# Altium PCB WX0.011.893PCB-4.2(1).PcbDoc (part 1 of 2) (continued)
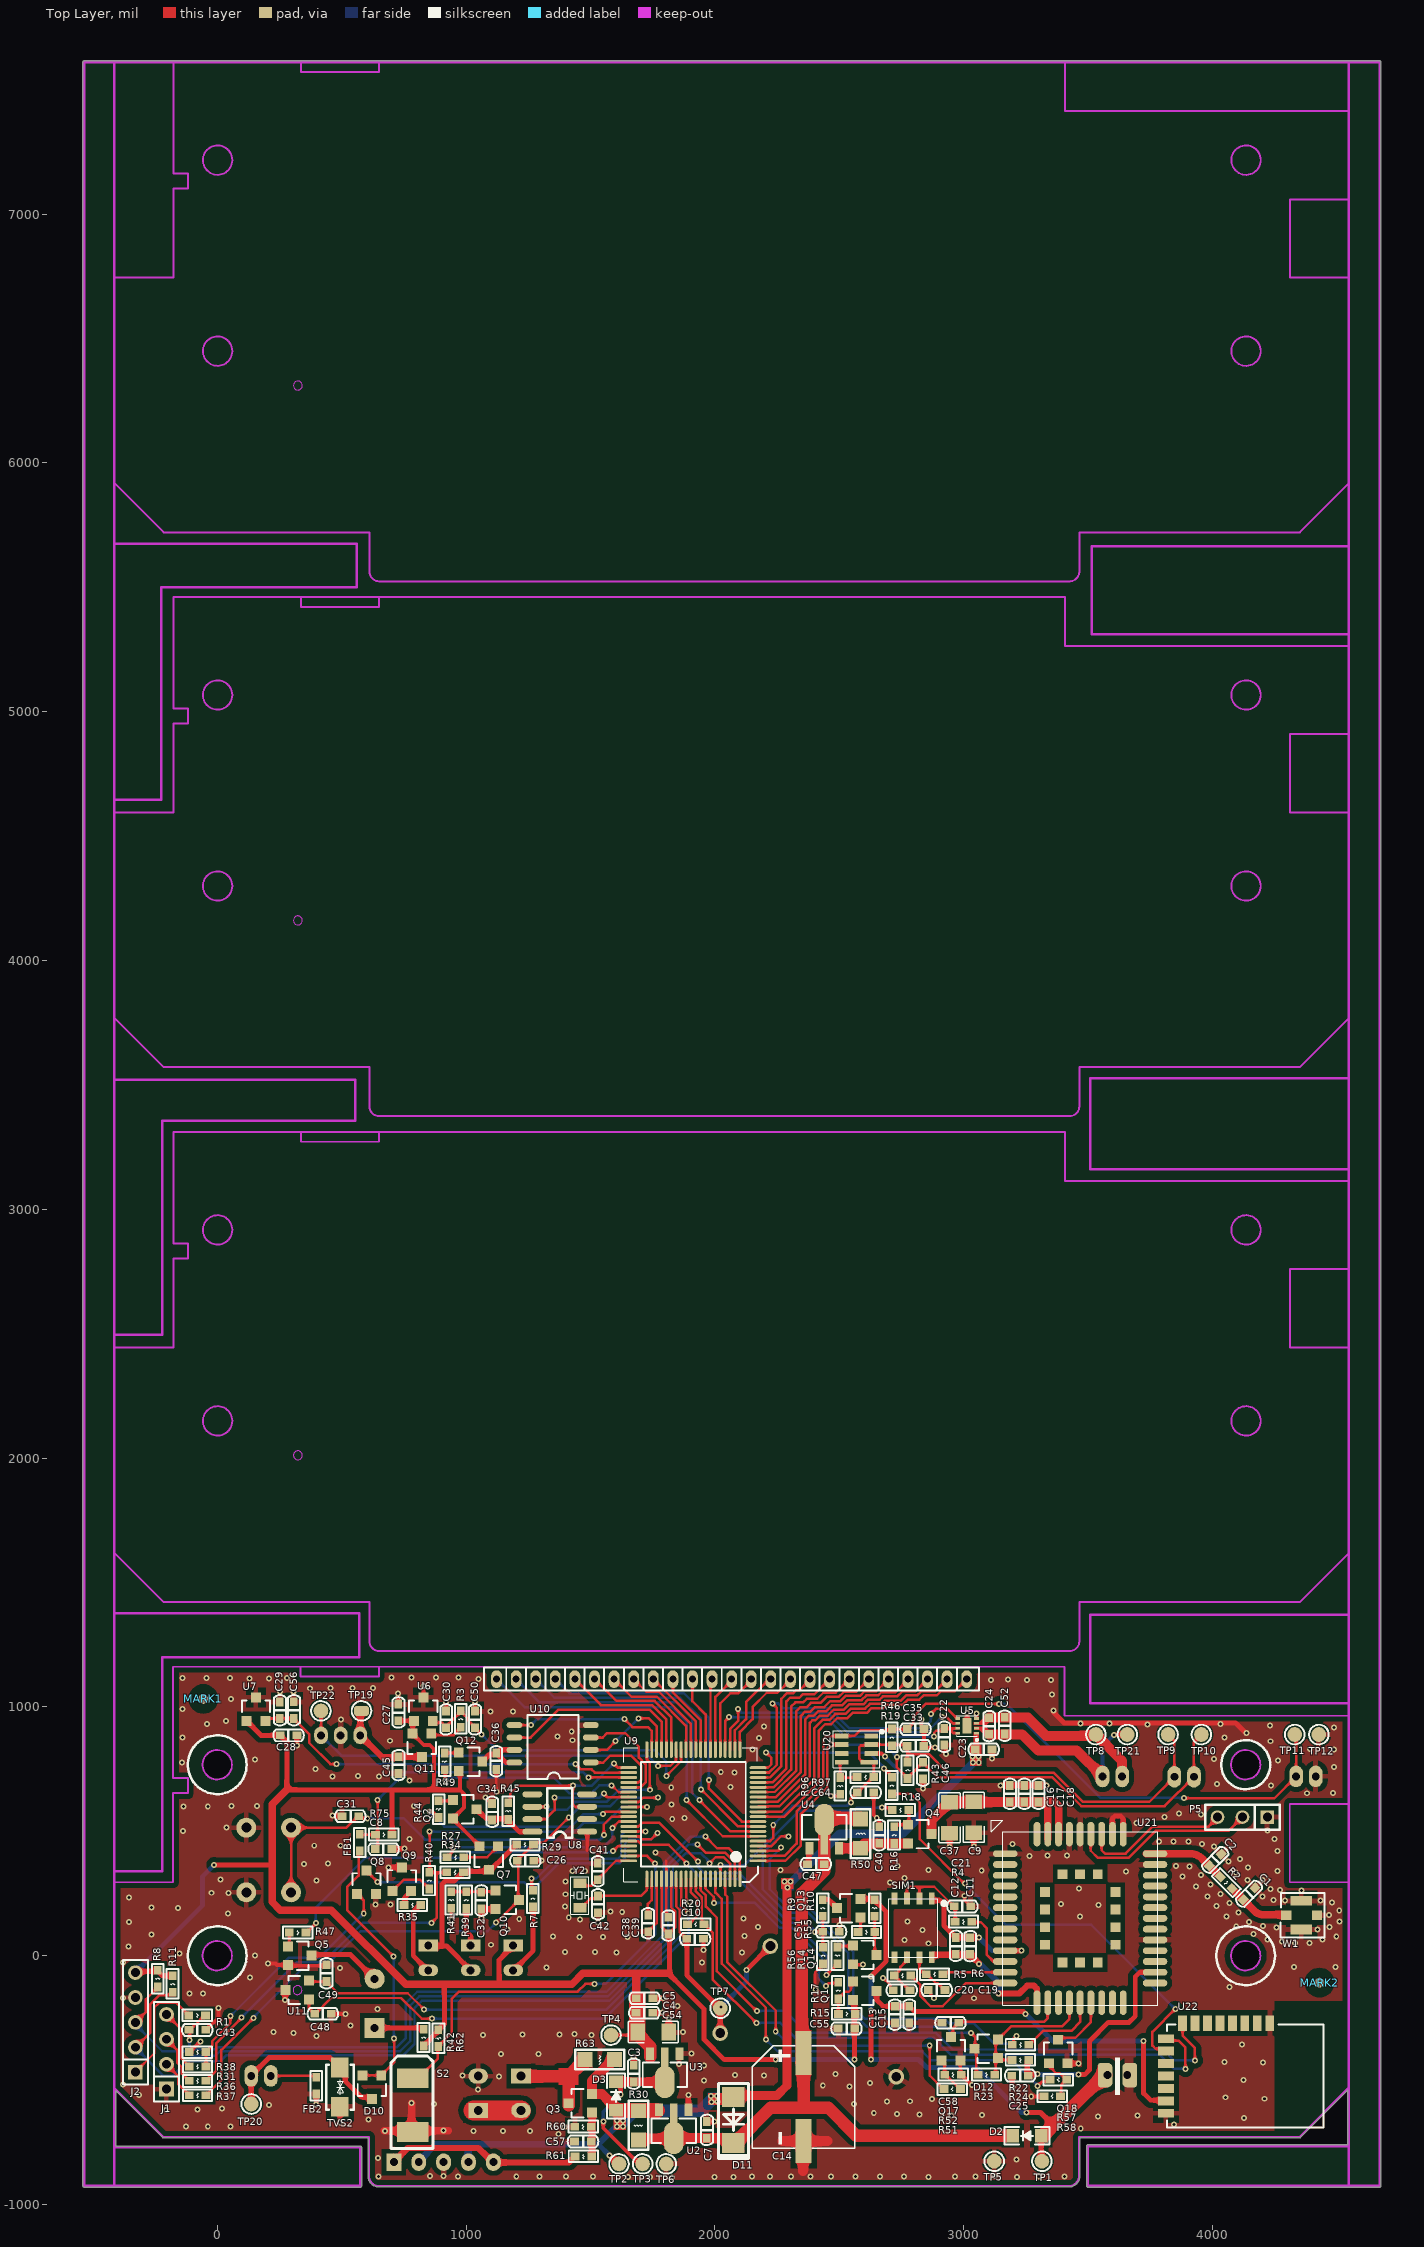
[diagram p0: Top Layer view]
## Components (designator, comment, footprint, x,y, rotation, side; value= is the part's Value field where it differs from the comment) (continued)
TP21 "TEST-PAD" TEST-PAD#1 3658,889 r90 top
TP22 "TEST-PAD" TEST-PAD#1 417,984 r90 top
TVS2 "SMAJ5.0CA" SMAJ5.0CA 493,-528 r90 top
U2 "CE6232A50P" SOT-89 1835,-654 r180 top
U3 "CE6232A33P" SOT-89 1799,-429 r180 top
U4 "CE6232A36P" SOT-89 2440,467 r0 top
U5 "DRV8837DSGR" S-PWSON-N8 3014,924 r180 top
U6 "S-5712ACDL1" SOT-23 828.86,990.67 r0 top locked
U7 "S-5712ACDL1" SOT-23 155.83,990.67 r0 top locked
U8 "ESAM" SOP-8 1486.84,498.64 r180 top locked
U9 "FM33LG0x8" LQFP80 1913.84,568.64 r180 top locked
U10 "P25Q80H-SUH-IR" SOP-8L-200MIL 1501.84,777 r180 top locked
U11 "S-5712ACDL1" SOT-23 321.57,-137.8 r90 top locked
U20 "HP303B" LGA_8 2661.84,757.64 r180 top locked
U21 "BC28-CNS" BC28-CNS 3468.5,150 r0 top locked
U22 "DB809" DB809 3880.51,-271 r270 top locked
W1 "ANT-IPEX" ANT-IPEX 4356.84,162.89 r270 top locked
Y2 "32.768kD" SMD-3215_2P 1457.84,192.64 r90 top

## Footprints (in the part's own frame and the unit in brackets; to place one, negate y for a bottom-side part, rotate by r counter-clockwise, add the part's x,y. Pads: shape width x height; smd on the part's side, far side on the other; paste and mask are expansions set on the pad)
ANT-IPEX [mm] "IPX天线座"
  rect 1x1.05 smd: 1(0,-1.525)
  rect 1x2.2 smd: 2(-1.475,0.025) 2(1.475,0.025)
  rect 1x1 smd: 2(0,1.626)
  silkscreen extent -2.26,-2.08 2.26,2.38
"Bar Code1" [mil]
  silkscreen extent 0,0 965,256
BAT [mm]
  round 1.6 hole 1: 1(10.25,5.13) 1(10.25,-5.13) 2(-7.55,0)
  silkscreen extent -10.25,-10.25 11.43,10.25
BC28-CNS [mm] "BC28-CNS Moudle 58Pin 15.8X17.7mm H2.2mm RO"
  oval 2.5x0.7 smd mask+0.05: 1(-7.65,6.6) 2(-7.65,5.5) 3(-7.65,4.4) 4(-7.65,3.3) 5(-7.65,2.2) 6(-7.65,1.1) 7(-7.65,0) 8(-7.65,-1.1) 9(-7.65,-2.2) 10(-7.65,-3.3) 11(-7.65,-4.4) 12(-7.65,-5.5) 13(-7.65,-6.6) 23(7.65,-6.6) 24(7.65,-5.5) 25(7.65,-4.4) 26(7.65,-3.3) 27(7.65,-2.2) 28(7.65,-1.1) 29(7.65,0) 30(7.65,1.1) 31(7.65,2.2) 32(7.65,3.3) 33(7.65,4.4) 34(7.65,5.5) 35(7.65,6.6)
  oval 0.7x2.5 smd mask+0.05: 14(-4.4,-8.6) 15(-3.3,-8.6) 16(-2.2,-8.6) 17(-1.1,-8.6) 18(0,-8.6) 19(1.1,-8.6) 20(2.2,-8.6) 21(3.3,-8.6) 22(4.4,-8.6) 36(4.4,8.6) 37(3.3,8.6) 38(2.2,8.6) 39(1.1,8.6) 40(0,8.6) 41(-1.1,8.6) 42(-2.2,8.6) 43(-3.3,8.6) 44(-4.4,8.6)
  rect 1x1 smd mask+0.05: 45(-3.6,2.7) 46(-3.6,0.9) 47(-3.6,-0.9) 48(-3.6,-2.7) 49(-1.8,-4.5) 50(0,-4.5) 51(1.8,-4.5) 52(3.6,-2.7) 53(3.6,-0.9) 54(3.6,0.9) 55(3.6,2.7) 56(1.8,4.5) 57(0,4.5) 58(-1.8,4.5)
  silkscreen extent -9.05,-8.85 7.9,10, body extent -7.9,-8.85 7.9,8.85, height 1.4
CAP0603 [mil]
  rect 35x31 smd: 1(-0.49,0) 2(66.51,0)
  silkscreen extent -29,-24 94,23, body extent 1,-15 72,15, height 20
CAP-SMD_BD10.0-L10.3-W10.3-FD [mm]
  rect 1.65x4.5 smd: 1(0,4.5) 2(0,-4.5)
  silkscreen extent -5.23,-5.23 5.23,5.23
CAPPC_350_800_1600R [mm]
  rect 1.524x2 hole 0.9: 1(-2.5,-1.905)
  oval 1.524x2 hole 0.9: 2(-6,-1.905)
  silkscreen extent -8.5,-1.02 0,16, body extent -8.22,-1.56 -0.22,15.94, height 8
DB809 [mm]
  rect 1.6x0.9 smd: 1(0,8.89) 2(0,7.62) 3(0,6.35) 4(0,5.08) 5(0,3.81) 6(0,2.54) 7(0,1.27) 8(0,0)
  rect 0.9x1.6 smd: 9(1.59,-1.7) 10(2.86,-1.7) 11(4.13,-1.7) 12(5.4,-1.7) 13(6.67,-1.7) 14(7.94,-1.7) 15(9.21,-1.7)
  silkscreen extent 0.15,-1.6 10.65,14.4
DO-214AC [mil]
  rect 80x90.55 smd: 1(-92.5,0) 2(92.5,0)
  silkscreen extent -147,-60 155,60, body extent -91,-53 90,53, height 94
GRM31CR60J107ME39L [mm]
  rect 1.485x1.728 smd: 1(0,0) 2(3.185,0)
  silkscreen extent -0.97,-1.09 4.16,1.09
GRM1206 [mm]
  rect 1.728x1.485 smd: 1(0,-1.593) 2(0,1.592)
  silkscreen extent -1.09,-2.56 1.09,2.56
HYT-0903 [mil]
  rect 80x80 hole 32: 1(0,0)
  round 80 hole 32: 2(196.85,0)
  silkscreen extent -79,-177 276,177, body extent -78,-176 276,176, height 217
IND0603 [mil]
  rect 35x31 smd: 1(0,0) 2(67,0)
  silkscreen extent -26,-24 92,23, body extent 0,-15 71,15, height 12
IR_254_532_300 [mm]
  rect 2x1.2 hole 0.813: 1(0,0)
  oval 2x1.2 hole 0.813: 2(0,-2.54)
  silkscreen extent -2.16,-3.23 2.16,0.91, body extent -1.65,-2.91 1.64,0.39, height 5.51
LCD_GVH21861A-HPP [mm]
  oval 1.1x1.8 hole 0.732: 1(0,0) 2(-2,0) 3(-4,0) 4(-6,0) 5(-8,0) 6(-10,0) 7(-12,0) 8(-14,0) 9(-16,0) 10(-18,0) 11(-20,0) 12(-22,0) 13(-24,0) 14(-26,0) 15(-28,0) 16(-30,0) 17(-32,0) 18(-34,0) 19(-36,0) 20(-38,0) 21(-40,0) 22(-42,0) 23(-44,0) 24(-46,0) 25(-48,0)
  silkscreen extent -56.95,-23 9.95,1.17, body extent -57.15,-23.24 9.14,0, height 5.2
LED2_300 [mm]
  rect 2x1.2 hole 0.813: 1(0,0)
  oval 2x1.2 hole 0.813: 2(0,-2.54)
  silkscreen extent -2.16,-2.53 2.16,0.91, body extent -1.65,-2.91 1.64,0.39, height 5.51
LGA_8 [mm]
  rect 1.8x0.5 smd: 1(1.039,-0.504)
  rect 1.4x0.5 smd: 2(0.839,-1.404) 3(0.839,-2.304) 4(0.839,-3.204) 5(3.839,-3.204) 6(3.839,-2.304) 7(3.839,-1.404) 8(3.839,-0.504)
  silkscreen extent -0.4,-3.78 4.73,0.05
LQFP80 [mm]
  oval 1.7x0.3 smd: 1(-6.6,4.75) 2(-6.6,4.25) 3(-6.6,3.75) 4(-6.6,3.25) 5(-6.6,2.75) 6(-6.6,2.25) 7(-6.6,1.75) 8(-6.6,1.25) 9(-6.6,0.75) 10(-6.6,0.25) 11(-6.6,-0.25) 12(-6.6,-0.75) 13(-6.6,-1.25) 14(-6.6,-1.75) 15(-6.6,-2.25) 16(-6.6,-2.75) 17(-6.6,-3.25) 18(-6.6,-3.75) 19(-6.6,-4.25) 20(-6.6,-4.75) 41(6.6,-4.75) 42(6.6,-4.25) 43(6.6,-3.75) 44(6.6,-3.25) 45(6.6,-2.75) 46(6.6,-2.25) 47(6.6,-1.75) 48(6.6,-1.25) 49(6.6,-0.75) 50(6.6,-0.25) 51(6.6,0.25) 52(6.6,0.75) 53(6.6,1.25) 54(6.6,1.75) 55(6.6,2.25) 56(6.6,2.75) 57(6.6,3.25) 58(6.6,3.75) 59(6.6,4.25) 60(6.6,4.75)
  oval 0.3x1.7 smd: 21(-4.75,-6.6) 22(-4.25,-6.6) 23(-3.75,-6.6) 24(-3.25,-6.6) 25(-2.75,-6.6) 26(-2.25,-6.6) 27(-1.75,-6.6) 28(-1.25,-6.6) 29(-0.75,-6.6) 30(-0.25,-6.6) 31(0.25,-6.6) 32(0.75,-6.6) 33(1.25,-6.6) 34(1.75,-6.6) 35(2.25,-6.6) 36(2.75,-6.6) 37(3.25,-6.6) 38(3.75,-6.6) 39(4.25,-6.6) 40(4.75,-6.6) 61(4.75,6.6) 62(4.25,6.6) 63(3.75,6.6) 64(3.25,6.6) 65(2.75,6.6) 66(2.25,6.6) 67(1.75,6.6) 68(1.25,6.6) 69(0.75,6.6) 70(0.25,6.6) 71(-0.25,6.6) 72(-0.75,6.6) 73(-1.25,6.6) 74(-1.75,6.6) 75(-2.25,6.6) 76(-2.75,6.6) 77(-3.25,6.6) 78(-3.75,6.6) 79(-4.25,6.6) 80(-4.75,6.6)
  silkscreen extent -6.62,-6.81 7.1,6.91, body extent -5.33,-5.33 5.36,5.33, height 2
MARK [mm]
  round 1 smd: 0(0,0)
  round 1 smd far side: 1(0,0)
  Top Layer pour cut-out: -1.5,0 -1.386,-0.574 -1.061,-1.061 -0.574,-1.386 0,-1.5 0,-1.5 0.574,-1.386 1.061,-1.061 1.386,-0.574 1.5,0 1.5,0 1.386,0.574 1.061,1.061 0.574,1.386 0,1.5 0,1.5 -0.574,1.386 -1.061,1.061 -1.386,0.574 -1.5,0
  Bottom Layer pour cut-out: -1.5,0 -1.386,-0.574 -1.061,-1.061 -0.574,-1.386 0,-1.5 0,-1.5 0.574,-1.386 1.061,-1.061 1.386,-0.574 1.5,0 1.5,0 1.386,0.574 1.061,1.061 0.574,1.386 0,1.5 0,1.5 -0.574,1.386 -1.061,1.061 -1.386,0.574 -1.5,0
PH200_1*2R [mm]
  oval 1.4x2.2 hole 0.8: 1(-1,0) 2(1,0)
  silkscreen extent -3,-6 3,1.6, body extent -3.18,-6.22 3.18,1.78, height 5
PH200_1*2R_BAT [mm]
  oval 1x2.5 hole 0.8: 1(1.076,-2.667) 2(-0.924,-2.667)
  rrect50% 1.2x2.5 all layers, no hole: 1(1.473,-2.667) 2(-1.321,-2.667)
  silkscreen extent -2.92,-4.44 3.08,3.34, body extent -3.1,-4.44 3.25,3.56, height 5
PH200_1*3R [mm]
  oval 1.4x1.8 hole 0.8: 1(-4,0) 2(-2,0) 3(0,0)
  silkscreen extent -6,-6 2,1.6, body extent -5.99,-5.97 2.01,1.57, height 4
PIN254_1*4*WXHJ [mm] "Connector; Header; 4 Position"
  rect 1.5x1.5 hole 0.9: 1(0,0)
  round 1.5 hole 0.9: 2(2.54,0) 3(5.08,0) 4(7.62,0)
  silkscreen extent -1.27,-1.27 8.89,1.27, body extent -1.3,-1.3 8.86,1.24, height 8.54
PIN254_1*5*WXHJ [mm]
  rect 1.5x1.5 hole 0.9: 1(0,0)
  round 1.5 hole 0.9: 2(2.54,0) 3(5.08,0) 4(7.62,0) 5(10.16,0)
  silkscreen extent -1.27,-1.27 11.43,1.27
"Pin HDR1X5/2.54mm-S" [mil]
  rect 70x60 hole 32: 1(0,0)
  oval 70x60 hole 32: 2(0,-100) 3(0,-200) 4(0,-300) 5(0,-400)
  silkscreen extent -50,-450 50,50, body extent -50,-450 50,50, height 336
RES0603 [mil]
  rect 35x31 smd: 1(0,0) 2(67,0)
  silkscreen extent -26,-24 92,23, body extent 0,-15 71,15, height 12
RES1206 [mil]
  rect 60x60 smd: 1(0,0) 2(118.11,0)
  silkscreen extent -39,-39 157,39, body extent -28,-29 150,29, height 20
S-PWSON-N8 [mm]
  rect 0.5x0.28 smd: 1(-0.95,0.75) 2(-0.95,0.25) 3(-0.95,-0.25) 4(-0.95,-0.75) 5(0.95,-0.75) 6(0.95,-0.25) 7(0.95,0.25) 8(0.95,0.75)
  rect 0.9x1.6 smd: 9(0,0)
  silkscreen extent -1.09,-1.05 1.04,1.52, body extent -0.98,-1 1.02,1, height 0.77
SIMIC [mm]
  rect 0.6x1.2 smd: 1(4.405,6) 2(3.135,6) 3(1.865,6) 4(0.595,6) 5(0.595,0) 6(1.865,0) 7(3.135,0) 8(4.405,0)
  silkscreen extent 0,0 5.73,6, body extent 0,0 4.95,5.97, height 0.6
SIP-3 [mil]
  rect 55x55 hole 36: 1(0,0)
  round 55 hole 36: 2(100,0) 3(200,0)
  silkscreen extent -50,-50 250,50
SMAJ5.0CA [mm]
  rect 2x1.8 smd: 1(-2,0) 2(2,0)
  silkscreen extent -2.3,-1.4 2.3,1.4
SMD-3215_2P [mm]
  rect 1x1.3 smd: 1(0,0) 2(2.5,0)
  silkscreen extent -0.69,-0.91 3.19,0.91, body extent -0.3,-0.99 2.9,0.99, height 0.7
SOD-123FL [mm]
  rect 1.3x1.4 smd: 1(0.074,0) 2(2.974,0)
  silkscreen extent -0.78,-0.9 3.82,0.9, body extent -0.28,-0.82 3.32,0.82, height 0.95
SOP-8 [mil]
  oval 80x24 smd: 1(0,0) 2(0,-50) 3(0,-100) 4(0,-150) 5(220,-150) 6(220,-100) 7(220,-50) 8(220,0)
  silkscreen extent 60,-175 160,25, body extent -7,-171 229,21, height 67
SOP-8L-200MIL [mil]
  oval 62.99x24 smd: 1(0,0) 2(0,-50) 3(0,-100) 4(0,-150) 5(307.09,-150) 6(307.09,-100) 7(307.09,-50) 8(307.09,0)
  silkscreen extent 50,-190 255,66, body extent 35,-171 271,21, height 67
SOT-23 [mil]
  rect 40x40 smd: 1(-37.4,-47.24) 2(37.4,-47.24) 3(0,47.24)
  silkscreen extent -57,-12 57,35, body extent -57,-55 57,55, height 47
SOT-89 [mm]
  rect 0.8x1.27 smd: 1(-1.5,-0.9) 3(1.5,-0.9)
  oval 2x3.3 smd: 2(0,2)
  rect 0.8x2.54 smd: 2(0,-0.265)
  silkscreen extent -2.25,0 2.25,2.5, body extent -2.25,-1.02 2.25,2.92, height 1.4
SWS_2_520_300 [mm]
  rect 2x3.2 smd: 1(0,0) 2(-5.5,0)
  silkscreen extent -7.2,-2.08 2.25,2.2
SWT_4_600_600 [mil]
  round 80 hole 40: 1(-130,-90) 1(130,-90) 2(-130,90) 2(130,90)
  silkscreen extent -180,-140 180,140, body extent -130,-90 130,90, height 157
TEST-PAD#1 [mm]
  round 1.5 smd: 1(0,0)
  silkscreen extent -1,-1 1,1
TEST-PAD#2 [mm]
  rrect50% 1.016x1.5 smd: 1(0,0)
  silkscreen extent -1,-1 1,1

## Part data
*: library part "AD_WXHJ_Bar Code_02", "条形码 ,填充，无需焊接器件"
B1: library part 1010602-0007, "直插,直径9mm,高5.5mm,5 V,2 V,30 mA,兴化市华宇电子有限公司,HYT-0903"
C1 C2 C41 C42: library part 101020103-0005, "12P,50 V,±5%,0603,国巨,CC0603JRNPO9BN12"
C3 C4 C13: library part 101020103-0026, "106pF,10 V,±10%,0603,村田,GRM188R61A106KE47D"
C5 C7 C8 C10 C11 C16 C22 C23 C24 C31 C33 C34 C35 C36 C38 C39 C40 C47 C52 C58 C64: library part 101020103-0021, "104pF,50 V,±10%,0603,国巨,CC0603KRX7R9BB104"
C6 C44: library part 1010202-0015, "1F,2.75 V,-20%~+20%,8mm*16mm,红宝石,2.7 DMC 1 M MY4 8X16"
C9: library part 101020101-0020, "100uF,6.3 V,±20%,1206,村田,GRM31CR60J107ME39L"
C12 C17 C19 C20 C21 C43 C46 C50 C56: library part 101020103-0027, "33pF,50 V,±10%,0603,国巨,CC0603KRNPO9BN33"
C14: library part 1010203-0029, "1000UF,16V,±20%,贴片10*10.2MM,深圳市三炎科电子科技有限公司,16V1000UF"
C15 C25 C27 C28 C45 C48: library part 101020103-0003, "105pF,16 V,±10%,0603,国巨,CC0603KRX7R7BB105"
C18 C32 C51: library part 101020103-0014, "10pF,50 V,±5%,0603,X7R,国巨,CC0603JRNPO9BN100"
C26: library part 101020103-0010, "101pf,50 V,±5%,0603,国巨,CC0603JRNP09BN101"
C29 C30 C49: library part 101020103-0022, "102pF,50 V,±10%,0603,国巨,CC0603KRX7R9BB102"
C37: library part 101020101-0005
C54: library part 101020101-0005, "100u,16 V,±10%,1206,国巨,CC1206KRNPO7BN106P"
C55: library part 101020103-0009, "22pF,50 V,±5%,0603,国巨,CC0603JRNPO9BN22"
C57: library part CAP, "无极性电容"
D2: library part 101040101-0048, "DS36W,SOD123-FL,3 A,42 V,60 V,浙江领晨科技有限公司,DS36W"
D3: library part 101040101-0048, "DS12W,SOD-123FL,1 A,0.55 V,20 V,领晨科技,DS12W"
D5: library part 101040102-0010, "DIP-2,φ3,插件,红光,上海品观电子有限公司/可得,AT203"
D6: library part 101040102-0011, "DIP-2,φ3,插件,红光,上海品观电子有限公司/可得,AT403-PD-01"
D7: library part 101040102-0001, "圆形插件,3mm 圆形,插件,红光,湖北匡通电子有限公司,3BB4HC"
D10 D12: library part 101040101-0038, "BAT54CLT1，SOT23-3,SOT23-3,0.2 A,0.8 V,30 V,安森美,BAT54CLT1"
D11: library part 101040101-0009, "SS12,DO-214AC,1 A,0.55 V,20 V,昶鑫,SS12"
FB1 FB2: library part 109010101-0003, "chilisin(奇力新),0603,30Ω ±25% @100MHz,150 V,125 ℃,PBY160808T-300Y-N,-55 ℃,不含铅,,,圆盘,30Ω ±25% @100MHz"
J1: library part AD_WXHJ_PinHeader_01, "1*4 ，Φ1.0 ，2.54mm，直脚,无需焊接器件"
J2: library part AD_WXHJ_PinHeader_02, "1*5 ，Φ1.0 ，2.54mm，直脚,无需焊接器件"
J3 J4 P2 P3 P6 P7: library part 1010902-0105, "2.0-2AW,直插弯座，2PIN，脚间距2mm，带防翘起,公头,单排,2.0-2AW;直插弯座，2PIN,脚间距2mm，带防翘起"
LCD1: library part 1010801-0028, "GVH21861A-HPP/GVH20913A－HPP-WG,65*23mm,针脚,段码,21,液晶,全透,60 ℃,-20 ℃,金视界/合肥精显,GVH21861A-HPP/GVH20913A－HPP-WG"
MARK1 MARK2: library part AD_WXHJ_MARK_01, "MARK点"
P5: "Connector"
P9: library part 1010902-0104, "2.0-3AW,3PIN，2mm脚间距,公头,单排,2.0-3AW；3PIN，脚间距2mm直插弯座带防翘起"
Q1 Q3 Q4: library part 101040201-0013, "UT3401ZG,P-MOS,SOT-23,UTC,UT3401ZG"
Q2 Q7 Q9 Q11 Q12 Q13: library part 101040201-0001, "9012,PNP,SOT-23,JCET;长电,S9012"
Q5 Q8 Q10 Q14 Q17 Q18: library part 101040201-0002, "9013,NPN,SOT-23,长电,S9013"
R1 R35: library part 101010103-0022, "100R,±5%,1/10W,0603,国巨,RC0603JR-07100RL"
R2: library part 101010103-0001
R3 R14 R27 R31 R40 R47 R49: library part 101010103-0006, "国巨,±5%,0603,,155 ℃,-55 ℃,RC0603JR-073KL,无铅,100 ppm/℃,1/10W,,3K"
R4 R5 R6: library part 101010103-0009, "国巨,±5%,0603,,155 ℃,-55 ℃,RC0603JR-0722RL,无铅,200 ppm/℃,1/10W,,22欧"
R7 R19 R20 R36 R37 R38: library part 101010103-0008, "1K,±5%,1/10W,0603,国巨,RC0603JR-071KL"
R8 R10 R11 R44 R55: library part 101010103-0003, "国巨,±5%,0603,,155 ℃,-55 ℃,RC0603JR-0710KL,无铅,200 ppm/℃,1/10W,,10K"
R9: library part 101010103-0066, "330K,±5%,1/10W,0603,国巨,RC0603JR-07330KL"
R15 R17: library part 101010103-0003, "10K±5%,1/10W,0603"
R16: library part 101010103-0025, "国巨,±5%,0603,,155 ℃,-55 ℃,RC0603JR-072ML,含铅,100 ppm/℃,1/10W,,2M"
R18: library part 101010103-0034, "200K,±5%,1/10W,0603,国巨,RC0603JR-07200KL"
R22 R23 R51 R52 R56 R57 R58: library part 101010103-0044, "220K,±5%,1/10W,0603,国巨,RC0603JR-07220KL"
R24 R29 R34 R39 R45: library part 101010103-0004, "国巨,±5%,0603,,155 ℃,-55 ℃,RC0603JR-0720KL,无铅,200 ppm/℃,1/10W,,20K"
R30 R50: library part 101010101-0013, "0Ω,±5%,1/4W,1206,国巨,RC1206JR-070RL"
R41: library part 101010103-0012, "47K,±5%,1/10W,0603,国巨,RC0603JR-0747KL"
R42: library part 101010103-0037, "国巨,±5%,0603,,155 ℃,-55 ℃,RC0603JR-0751RL,无铅,100 ppm/℃,1/10W,,51欧"
R43 R46: library part 101010103-0015, "国巨,±5%,0603,,155 ℃,55 ℃,RC0603JR-075.1KL,无铅,200 ppm/℃,1/10W,,5.1k"
R60 R61 R63: library part RES
R62 R97: library part 101010103-0002, "国巨,±5%,0603,,155 ℃,-55 ℃,RC0603JR-071ML,无铅,200 ppm/℃,1/10W,,1M"
R75 R96: library part 101010103-0001, "国巨,±5%,0603,,155 ℃,-55 ℃,RC0603J2-070RL,无铅,200 ppm/℃,1/10W,,0R"
S1: library part 1011001-0027, "TS-1102,机械轻触,6*6*4.3直插,6*6*4.3直插,乐清市羽欧电子"
S2: library part 1011001-0041, "CSX-SEN-645B,垂直45°开关转换,3*5.2mm,360°任意方位倾斜检测,深圳市成晟科技有限公司"
SIM1: library part AD_XN_SIMIC_01, "SIMIC虚拟器件"
TP1 TP2 TP3 TP4 TP5 TP6 TP7 TP8 TP9 TP10 TP11 TP12 TP19 TP20 TP21 TP22: library part AD_WXHJ_TEST-PAD_01, "单面焊盘测试点"
TVS2: library part SMAJ5.0CA_C693487
U2: library part 1010503-0013, "S-1206B50-U3,S-1206B50-U3,SOT89-3,6.5 V,1.7 V,0.2 V,5 V,250mA@VIN≧VOUT(S)＋1.0 V﹐1.5 V≦VOUT(S),1 uA,精工电子"
U3: library part 1010503-0002, "S-1206B33-U3T1G,S-1206B33-U3T1G,SOT89-3,6.5 V,1.7 V,0.15 V,3.3 V,250mA@VIN≧VOUT(S)＋1.0 V﹐1.5 V≦VOUT(S),1 uA,精工电子"
U4: library part 1010503-0031, "CE6232A36P,CE6232A36P,SOT89-3,8 V,1.8 V,0.11 V,3.6 V,600mA,0.8 uA,南京芯力微电子有限公司"
U5: library part 101050101-0060, "DRV8837DSGR,S-PWSON-N8,TI,DRV8837DSGR"
U6 U7 U11: library part 1010504-0002, "S-5712ACDL1,SOT23-3,3.5 V,1.6 V,2 uA,精工电子,S-5712ACDL1"
U8: library part AD_XN_ESAM_01, "ESAM虚拟器件"
U10: library part 101050101-0165, "P25Q80H-SUH-IR,SOP8208mil,普冉半导体（上海）股份有限公司,P25Q80H-SUH-IR"
U21: "BC28-CNS Moudle 58Pin 15.8X17.7mm H2.2mm RO"
U22: library part 1011402-0194, "北高智蓝牙模块DB809"
W1: library part 1010902-0053, "IPEX，配GPRS天线转接线"
Y2: library part 1010601-0009

## Via types
v1: diameter 24, hole 12, Top Layer to Bottom Layer, tented both sides, 484 vias

## Nets (pads, with @x,y where several pads share a name; then routed paths per layer and width w, separated by ;. In a path a pad name is that pad's centre, name@x,y a point inside that pad or via, vN(x,y) a via of type N, cw(c..) or ccw(c..) an arc to the next point about the centre after c; other vN are vias at no path point)
3.3V: C4.1 C5.1 C27.1 C28.1 C39.2 C54.1 C55.1 D7.1 J2.5 Q1.2 Q2.2 Q7.2 Q11.2 Q12.2 R8.1 R11.1 R15.1 R42.2 R62.2 R75.1 TP4.1 U3.3 U6.1 U7.1 U9.64 U9.66 | length 7882.9
  Top Layer w10: TP4.1@1573,-323 1577,-319 C54.1@1691,-319 ; U9.64@1786,324 1786,115.49 C39.2@1813.75,87.75 ; C39.2@1809,83 C39.2@1813.75,87.75 ; C39.2@1818,83.49 C39.2@1813.75,87.75 ; U9.66@1825,327 1825,194 1842,177 1842,116 C39.2@1813.75,87.75
  Top Layer w15: C27.1@728,944.51 U6.1@778.32,944.51 ; U6.1@785.43,937.4 Q11.2@785.43,893.7 785.43,891.57 830,847 854,847 871,830 871,667 ; Q12.2@976,737.36 976,669 974.5,667.5 992,650 992,595.65 Q2.2@947.59,551.24 955.83,543 955.83,540.17 1047,449 1047,447.31 Q7.2@1054.43,439.88
  Top Layer w20: J2.5@-329,-68 -324,-63 -238,-63 -221,-80 R11.1@-175,-80 ; v1@-13,365 v1(-12,365) 211,365 ; U7.1@118.43,943.42 175.85,886 C28.1@253.51,886 280,859.51 280,667 ; 277,667 871,667 974,667 ; R75.1@702.84,486.64 702.84,662.84 ; R42.2@829,-362 R62.2@887,-304 ; R62.2@889,-298 913,-274 913,-115 ; Q12.2@970.76,742.6 Q12.2@976,737.36 ; 1133,-115 1133,-17 1189.61,39.61 D7.1@1213.42,39.61 ; 1813,-71 1957,-215 1957,-337 2038,-418 v1(2245,-418) ; 1818,-76 C39.2@1818,83.49 ; Q1.2@2555.76,-178.4 2561,-183.64 2561,-287.51 C55.1@2556.51,-292 ; v1@2561.49,-419 C55.1@2561.49,-293
  Top Layer w30: 280,667 221,608 221,216 254,183 459,183 757,-115 1150,-115 1426,-115 1470,-71 1813,-71 ; C5.1@1684.51,-171 C5.1@1688,-167.51
  Top Layer w35: C5.1@1684.51,-171 1684.51,-74
  Top Layer w50: C54.1@1691,-319 1690,-316 1739.95,-365.95 U3.3@1739.95,-407
  Bottom Layer w20: J2.5@-329,-68 -60,201 -60,317 v1(-12,365) ; v1@2244,-418 v1@2563,-418
  other v1: 2561,-418
3.6V: C3.1 D3.2 TP3.1 U3.2 | length 635.8
  Top Layer w10: D3.2@1603,-506.91 D3.2@1622,-525.91
  Top Layer w15: v1(1552,-667) 1552,-693 1696,-837 TP3.1@1710,-837 ; v1(1622,-558) D3.2@1622,-525.91
  Top Layer w35: D3.2@1603,-506.91 U3.2@1798.17,-506.91
  Bottom Layer w15: v1(1552,-667) 1552,-628 v1(1622,-558)
5V: C23.2 D3.1 D11.1 J5.2 J5.4 Q3.2 R30.2 R63.1 TP2.1 U2.3 U5.1 | length 3963.9
  Top Layer w20: v1(1577,-803) 1611,-837 TP2.1@1615,-837
  Top Layer w30: C23.2@3047.49,829 C23.2@3055,836.51
  Top Layer w35: D11.1@2075,-567.5 2081,-561.5 2250.5,-561.5 2290,-522 2290,287
  Top Layer w40: Q3.2@1507.24,-555.6 1546.6,-555.6 1603,-612 D3.1@1603,-621.09 ; Q3.2@1507.24,-551.6 1507.24,-502.76 1597,-413 R63.1@1602,-413
  Top Layer w60: D3.1@1607,-621.93 U2.3@1769,-621.93
  Bottom Layer w20: 1531.5,-757.5 v1(1577,-803)
  Bottom Layer w25: J5.2@807,-830 879,-758 1531,-758 ; J5.4@1009,-830 1009,-761 ; 1531.5,-757.5 1614,-675 1625,-675
  Bottom Layer w35: 2298,286 2502,490 2753,490 v1@3054,791
  Bottom Layer w50: 1625,-675 1677,-623 1945,-623 1991.5,-576.5
  other v1: 1607,-687 1631,-687 1607,-663 1631,-663 1986,-588 2010,-587 1985,-564 2009,-563 2292,275 2280,298 2305,298 3037,777 3061,777 3036,801 3060,801
119: C8.1 FB1.1 R75.2 U9.43 | length 1339.5
  Top Layer w10: FB1.1@568.84,486.64 R75.2@635.84,486.64 ; C8.1@645,422 v1(645,626) ; v1@1489,717 1653.27,717 U9.43@1653.99,716.28
  Bottom Layer w10: v1(645,626) 757,738 1470.75,738 v1(1492.75,716)
ADC_CTL: R14.1 U9.56 | length 1131.7
  Top Layer w10: U9.56@1653.99,460.37 1691.08,460.37 1705.44,446 1814,446 1887,373 v1(1887,370) ; v1@2448,-77 v1(2449,-78) 2493,-34 R14.1@2493,-32
  Bottom Layer w10: v1(1887,370) 1947,310 2091,310 2269,132 2318,132 2449,1 v1(2449,-78)
B: C24.2 C52.2 P3.2 TP8.1 U5.3 | length 674.4
  Top Layer w40: C24.2@3102.17,956.87 3258.13,956.87 3331,884 3527,884 TP8.1@3532,889 3637.32,783.68 P3.2@3637.32,720.28
BLE_INTP5: R20.1 U9.70 | length 217.4
  Top Layer w10: R20.1@1888.78,119.22 1930,160.44 1930,228.25 1903.99,254.26 U9.70@1903.99,308.8
BUZZ: R47.1 U9.57 | length 1481
  Top Layer w10: R47.1@357,93 360,93 v1(398,131) ; v1(1591,421) 1592,421 1611.69,440.69 U9.57@1653.99,440.69
  Bottom Layer w10: v1@395.5,129.5 395.5,192.5 597,394 987,394 1008,415 1585,415 v1(1591,421)
CAP_CHK: C49.1 U9.69 U11.2 | length 1940.2
  Top Layer w10: U11.2@368.82,-100.39 372.42,-104 438,-104 485,-151 766,-151 v1(832,-217) v1@835,-217 ; U11.2@381,-96 U11.2@382,-97 ; U9.69@1884.31,308.8 1884.31,228.69 v1(1898,215) v1@1898,213
  Bottom Layer w10: v1@827,-217 v1(832,-217) 1564.08,-217 1863,81.92 1863,203 1875,215 v1@1900,215
CAP_CTL: C48.1 U9.68 U11.1 | length 2040.5
  Top Layer w10: U11.1@355,-189 U11.1@358,-186 ; U11.1@358,-176 U11.1@361,-173 ; U11.1@380.62,-187 U11.1@368.82,-175.2 368.82,-212.82 389,-233 C48.1@391.51,-233 ; C48.1@392,-236 458,-170 739,-170 822,-253 v1(864,-253) ; U9.68@1864.62,308.8 1864.62,202.46 v1@1896.54,170.54
  Bottom Layer w10: v1@860,-252 861,-253 1557,-253 1895,85 v1(1895,171)
CLOSE: U5.5 U9.19 | length 1209.8
  Top Layer w10: U9.19@2173.68,735.96 2217.96,735.96 2249,767 2249,997 v1(2232,1014) ; v1(2869,972.23) 2869,965.25 2865.51,968.74 2888.78,992 2935,992 2973.47,953.53 U5.5@2976.6,953.53
  Bottom Layer w10: v1(2232,1014) 2255,1014 2274,995 2460.04,995 2540.04,915 2841.25,915 2869,942.75 v1(2869,972.23)
COM0: LCD1.1 U9.6 | length 1499
  Top Layer w10: v1@1885,626 1886,626 2031.94,480.06 U9.6@2173.68,480.06
  Bottom Layer w10: LCD1.1@1122.84,1111.64 1236.47,998 1830,998 1887,941 v1(1887,626)
COM1: LCD1.2 U9.7 | length 1401
  Top Layer w10: v1@1938.5,624.5 2063.26,499.74 U9.7@2173.68,499.74
  Bottom Layer w10: LCD1.2@1201.58,1111.64 1295.21,1018 1845,1018 1909,954 1909,655 v1(1939,625)
COM2: LCD1.3 U9.8 | length 1307
  Top Layer w10: v1@1943,670 v1(1944,669) 2093.57,519.43 U9.8@2173.68,519.43
  Bottom Layer w10: LCD1.3@1280.32,1111.64 1354.95,1037 1860.96,1037 1944,953.96 v1(1944,669)
COM3: LCD1.4 U9.9 | length 1219.5
  Top Layer w10: v1@1976,709 v1(1976,707) 1976,672 2108.89,539.11 U9.9@2173.68,539.11
  Bottom Layer w10: LCD1.4@1359.06,1111.64 1415.69,1055 1876,1055 1976,955 v1(1976,707)
ESAM_CLK: U8.6 U9.40 | length 678.8
  Top Layer w10: U8.6@1266.84,598.64 v1@1325,598.64 ; U9.40@1726.83,828.48 1726.83,788.26 1739,776.08 v1(1739,667) v1@1739,666
  Bottom Layer w10: v1(1324,599) 1336,587 1407,587 1438,618 1565.25,618 1614.25,667 v1(1739,667)
ESAM_POW: R44.1 U9.50 | length 898
  Top Layer w10: v1@852,579 866.47,579 R44.1@889.84,555.64 ; v1(1550,569) 1559.48,578.48 U9.50@1653.99,578.48
  Bottom Layer w10: v1(853,579) 913,519 1423,519 1473,569 v1(1550,569)
ESAM_RST: U8.7 U9.47 | length 474.6
  Top Layer w10: U8.7@1266.84,548.64 1319.64,548.64 1356,585 v1(1356,635) ; v1(1554,652) 1554,654 1552.5,652.5 1567.46,637.54 U9.47@1653.99,637.54 1652.53,639 U9.47@1651.53,638
  Bottom Layer w10: v1(1356,635) 1537,635 v1(1554,652)
ESAM_SDA: R45.2 U8.3 U9.41 | length 710.5
  Top Layer w10: R45.2@1169.84,614.64 1178,622.8 1178,652 1210,684 v1(1430,684) 1430,607 1438.36,598.64 U8.3@1486.84,598.64 ; v1(1594,772) 1610.35,755.65 U9.41@1653.99,755.65
  Bottom Layer w10: v1(1430,684) 1506,684 v1(1594,772)
FLASH_CLK: U9.37 U10.6 | length 774.1
  Top Layer w10: U10.6@1190,877 1260,877 1370.46,988 1739,988 1785.88,941.12 U9.37@1785.88,828.48
FLASH_CS: U9.44 U10.1 | length 331.1
  Top Layer w10: U10.1@1512,776 1551.75,776 1579.75,804 1663,804 1705,762 1705,709 1692.59,696.59 U9.44@1653.99,696.59
FLASH_CTL: R49.1 U9.46 | length 842.3
  Top Layer w10: v1@917,705 R49.1@917,750 ; v1(1585,685) 1586,685 1614,657 U9.46@1657,657
  Bottom Layer w10: v1@918,703 918,705 929,716 1352.75,716 1416.75,652 1503,652 1536,685 v1(1585,685)
  other v1: 917,704
FLASH_MISO: U9.38 U10.2 | length 429
  Top Layer w10: U10.2@1498,827 1566,827 v1@1602,863 ; v1@1693,954 v1(1694,954) 1735,954 1766.2,922.8 U9.38@1766.2,828.48
  Bottom Layer w10: v1@1602,863 1693,954 v1(1694,954)
  other v1: 1601,863
FLASH_MOSI: U9.39 U10.5 | length 658.2
  Top Layer w10: U10.5@1194.75,927 v1(1261,927) ; v1@1636,952 1669,919 1731,919 1746.51,903.49 U9.39@1746.51,828.48
  Bottom Layer w10: v1(1261,927) 1285,951 1636,951 v1(1637,952)
FLASH_WP: U9.45 U10.3 | length 458.5
  Top Layer w10: U10.3@1497.36,877 1549,877 1550,878 1550,878.25 1566.75,895 1640,895 1695,840 1695,796.04 1722,769.04 1722,697 1701.91,676.91 U9.45@1653.99,676.91
GD_PWR: C45.1 P9.3 Q11.3 TP19.1 | length 376
  Top Layer w25: TP19.1@574.84,978.84 P9.3@574.84,885.67 663,797.51 C45.1@726,797.51 ; C45.1@727.7,799.21 Q11.3@822.83,799.21